# Altium PCB PCB1.PcbDoc (part 3 of 3)
Units mm, origin at the board's own origin, x right, y up, seen from the top; angles counter-clockwise.
Board outline 165.85 x 112.86 mm, 4 copper layers (Top Layer, Layer 1, Layer 2, Bottom Layer), stack 0.603 mm thick; 124 components, 136 nets, 510 pads, 68 vias.
Unrouted connection lines stored in the file: 1.
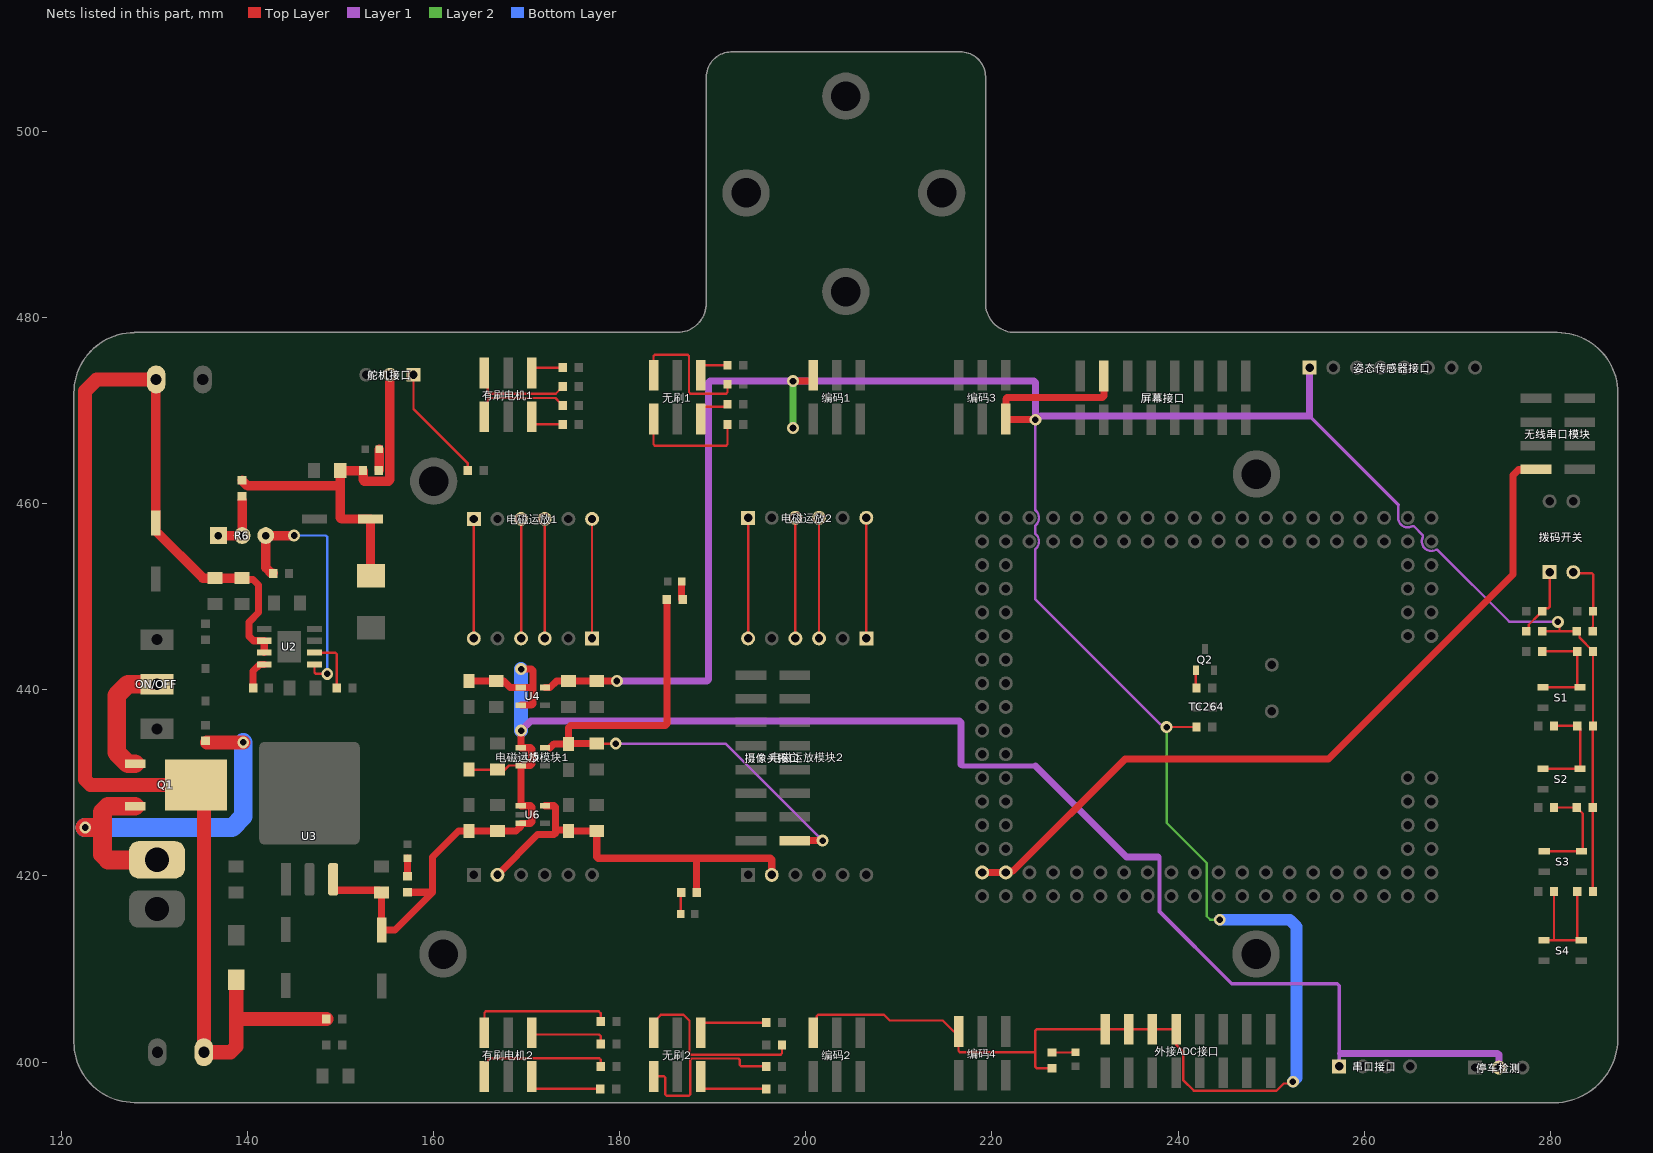
[diagram p5: the nets of this part, all layers, seen from the top]

## Via types
v1: diameter 1.27, hole 0.711, Top Layer to Bottom Layer, 68 vias

## Nets (pads, with @x,y where several pads share a name; then routed paths per layer and width w, separated by ;. In a path a pad name is that pad's centre, name@x,y a point inside that pad or via, vN(x,y) a via of type N, cw(c..) or ccw(c..) an arc to the next point about the centre after c; other vN are vias at no path point) (continued)
NetLED3v3_A: LED3v3.A R11.2 | length 2.5
  Top Layer w0.254: R11.2@226.441,401.027 228.541,401.027 228.556,401.042 LED3v3.A@228.981,401.042
NetLED5V_A: LED5V.A R10.2 | length 2
  Top Layer w0.762: R10.2@157.226,419.95 LED5V.A@157.226,421.906
NetLEDCAM_A: LEDCAM.A R12.2 | length 1.9
  Top Layer w0.762: R12.2@186.666,449.707 LEDCAM.A@186.666,451.612
NetLEDOP_A: LEDOP.A R13.2 | length 2.3
  Top Layer w0.254: LEDOP.A@186.575,415.925 186.575,418.184 R13.2@186.602,418.211
NetLEDSteer_A: LEDSteer.A R8.1 | length 2.3
  Top Layer w0.254: R8.1@154.139,463.55 R8.1@154.166,463.577
  Top Layer w1.016: R8.1@154.166,463.577 LEDSteer.A@154.166,465.836
NetON/OFF_2: ON/OFF.2 Q1.2 | length 13.4
  Top Layer w2.032: Q1.2@127.943,432.048 127.174,432.048 125.984,433.238 125.984,439.399 127.174,440.589 ON/OFF.2@130.302,440.589
NetP1_1: R40.1 无刷1.1 | length 12.9
  Top Layer w0.254: 无刷1.1@183.642,469.074 183.642,466.366 183.791,466.217 191.445,466.217 191.594,466.366 R40.1@191.594,468.503
NetP1_2: R42.1 无刷1.2 | length 15
  Top Layer w0.254: 无刷1.2@183.642,473.774 183.642,475.847 183.791,475.996 187.303,475.996 187.452,475.847 187.452,471.954 187.601,471.805 191.445,471.805 191.594,471.954 R42.1@191.594,472.821
NetP1_5: R39.2 无刷1.5 | length 4.1
  Top Layer w0.254: 无刷1.5@188.722,469.074 188.722,470.025 189.105,470.408 191.342,470.408 R39.2@191.596,470.662
NetP1_6: R41.2 无刷1.6 | length 3.7
  Top Layer w0.254: 无刷1.6@188.722,473.774 188.722,474.47 189.105,474.853 R41.2@191.594,474.853
NetP2_1: R44.1 无刷2.1 | length 7.9
  Top Layer w0.254: 无刷2.1@188.722,403.162 188.722,403.858 189.105,404.241 R44.1@195.746,404.241
NetP2_2: R46.1 无刷2.2 | length 8.1
  Top Layer w0.254: 无刷2.2@188.722,398.462 188.722,397.512 189.105,397.129 R46.1@195.746,397.129
NetP2_5: R43.2 无刷2.5 | length 20
  Top Layer w0.254: 无刷2.5@183.642,403.162 183.642,404.302 184.431,405.091 186.862,405.091 187.506,404.448 187.506,400.947 187.654,400.798 197.297,400.798 197.446,400.947 R43.2@197.446,401.828
NetP2_6: R45.2 无刷2.6 | length 18.5
  Top Layer w0.254: 无刷2.6@183.642,398.462 184.763,398.462 184.912,398.313 184.912,396.516 185.061,396.367 187.43,396.367 187.579,396.516 187.579,400.243 187.728,400.391 192.764,400.391 192.913,400.243 192.913,399.691 193.062,399.542 R45.2@195.746,399.542
NetP11_1: R26.1 有刷电机1.1 | length 10.5
  Top Layer w0.254: 有刷电机1.1@165.481,469.328 165.846,469.693 165.846,471.154 166.028,471.336 173.101,471.336 173.554,470.883 173.579,470.883 173.902,470.56 R26.1@173.902,470.535
NetP11_2: R28.1 有刷电机1.2 | length 10.7
  Top Layer w0.254: 有刷电机1.2@165.481,474.028 165.852,473.657 165.852,471.954 166,471.805 173.14,471.805 R28.1@173.902,472.567
NetP11_5: R25.2 有刷电机1.5 | length 3.9
  Top Layer w0.254: 有刷电机1.5@170.561,469.328 170.561,468.886 170.944,468.503 R25.2@173.902,468.503
NetP11_6: R27.2 有刷电机1.6 | length 3.7
  Top Layer w0.254: 有刷电机1.6@170.561,474.028 170.561,474.216 170.944,474.599 R27.2@173.902,474.599
NetP12_1: R30.1 有刷电机2.1 | length 8.4
  Top Layer w0.254: 有刷电机2.1@170.561,403.162 170.752,402.971 177.8,402.971 177.966,402.805 R30.1@177.966,401.955
NetP12_2: R32.1 有刷电机2.2 | length 8.5
  Top Layer w0.254: 有刷电机2.2@170.561,398.462 170.561,397.512 170.944,397.129 R32.1@177.927,397.129
NetP12_5: R29.2 有刷电机2.5 | length 15.6
  Top Layer w0.254: 有刷电机2.5@165.481,403.162 165.481,405.297 165.63,405.445 177.756,405.445 177.966,405.235 R29.2@177.966,404.368
NetP12_6: R31.2 有刷电机2.6 | length 14.9
  Top Layer w0.254: 有刷电机2.6@165.481,398.462 165.864,398.845 165.864,400.257 166.013,400.406 177.817,400.406 177.966,400.257 R31.2@177.966,399.542
NetP13_1: 电磁运放1.1 电磁运放模块1.6 | length 12.8
  Top Layer w0.254: 电磁运放模块1.6@164.338,445.516 电磁运放1.1@164.338,458.343
NetP13_3: 电磁运放1.3 电磁运放模块1.4 | length 12.8
  Top Layer w0.254: 电磁运放模块1.4@169.418,445.516 电磁运放1.3@169.418,458.343
NetP13_4: 电磁运放1.4 电磁运放模块1.3 | length 12.8
  Top Layer w0.254: 电磁运放模块1.3@171.958,445.516 电磁运放1.4@171.958,458.343
NetP13_6: 电磁运放1.6 电磁运放模块1.1 | length 12.8
  Top Layer w0.254: 电磁运放模块1.1@177.038,445.516 电磁运放1.6@177.038,458.343
NetP14_1: 电磁运放2.1 电磁运放模块2.6 | length 13
  Top Layer w0.254: 电磁运放模块2.6@193.802,445.516 电磁运放2.1@193.802,458.47
NetP14_3: 电磁运放2.3 电磁运放模块2.4 | length 13
  Top Layer w0.254: 电磁运放模块2.4@198.882,445.516 电磁运放2.3@198.882,458.47
NetP14_4: 电磁运放2.4 电磁运放模块2.3 | length 13
  Top Layer w0.254: 电磁运放模块2.3@201.422,445.516 电磁运放2.4@201.422,458.47
NetP14_6: 电磁运放2.6 电磁运放模块2.1 | length 13
  Top Layer w0.254: 电磁运放模块2.1@206.502,445.516 电磁运放2.6@206.502,458.47
NetP18_1: R9.2 舵机接口.1 | length 12.7
  Top Layer w0.254: 舵机接口.1@157.861,473.837 157.861,470.154 163.703,464.312 R9.2@163.703,463.55
NetQ1_3: Q1.3 R1.1 电源供电.1 | length 46.2
  Top Layer w0.254: 124.287,424.434 124.46,424.608
  Top Layer w0.508: R1.1@135.509,434.506 R1.1@135.675,434.34
  Top Layer w1.016: 126.837,427.482 126.843,427.488
  Top Layer w1.524: R1.1@135.675,434.34 v1(139.573,434.34)
  Top Layer w2.032: v1(122.59,425.196) 124.079,425.196 124.46,424.815 ; 126.837,427.482 125.055,427.482 124.46,426.887 124.46,425.196 124.46,424.608 124.46,422.328 125.055,421.733 电源供电.1@130.302,421.733 ; 126.843,427.488 Q1.3@127.943,427.488
  Bottom Layer w2.032: v1(122.59,425.196) 138.383,425.196 139.573,426.386 v1(139.573,434.34)
NetQ2_1: Q2.1 R23.2 | length 2
  Top Layer w0.254: Q2.1@241.94,442.087 241.893,442.04 241.893,440.263 R23.2@241.974,440.182
NetR3_2: R3.2 U2.4 | length 3.3
  Top Layer w0.762: R3.2@140.628,440.182 140.628,441.999 141.351,442.722 U2.4@141.826,442.722
NetR4_1: R4.1 U2.6 | length 6.1
  Top Layer w0.254: U2.6@147.226,443.992 149.457,443.992 149.606,443.843 R4.1@149.606,440.182
NetR5_1: R5.1 R6.1 R6.ADJ | length 6.8
  Top Layer w0.254: R5.1@139.446,460.345 R5.1@139.446,460.795
  Top Layer w1.016: R6.1@136.906,456.565 R6.ADJ@139.446,456.565 139.446,460.345
NetR6_2: R6.2 R7.2 U2.5 | length 28.2
  Top Layer w0.254: U2.5@147.226,442.722 147.226,441.855 147.375,441.706 v1(148.59,441.706)
  Top Layer w1.016: R7.2@142.787,452.501 142.606,452.501 141.986,453.121 R6.2@141.986,456.565 v1(145.034,456.565)
  Bottom Layer w0.254: v1(145.034,456.565) 148.441,456.565 148.59,456.416 v1(148.59,441.706)
NetR14_2: R14.2 R35.1 S1.2 | length 11.7
  Top Layer w0.254: R35.1@279.107,444.119 279.557,444.119 R14.2@282.868,444.119 282.868,440.489 S1.2@283.091,440.266 ; S1.2@279.178,440.266 S1.2@283.091,440.266 ; S1.2@283.178,440.266 S1.2@283.091,440.266
NetR15_2: R15.2 R36.1 S2.2 | length 11.2
  Top Layer w0.254: S2.2@279.178,431.503 S2.2@283.178,431.503 283.178,435.808 R15.2@282.868,436.118 R36.1@280.377,436.118
NetR16_2: R16.2 R37.1 S3.2 | length 11.5
  Top Layer w0.254: S3.2@279.32,422.635 S3.2@283.32,422.635 283.464,422.779 283.464,426.695 282.829,427.33 R16.2@282.829,427.355 R37.1@280.377,427.355
NetR17_2: R17.2 R38.1 S4.2 | length 14.6
  Top Layer w0.254: S4.2@279.305,413.088 280.289,413.088 ; R38.1@280.377,418.338 280.377,413.176 280.289,413.088 ; R17.2@282.868,418.338 282.868,413.311 S4.2@283.091,413.088 ; S4.2@283.305,413.088 S4.2@283.091,413.088 ; 280.289,413.088 S4.2@283.091,413.088
NetR18_2: R18.2 R33.1 拨码开关.1 | length 7.6
  Top Layer w0.254: R18.2@277.407,446.278 277.655,446.526 277.655,446.985 278.759,448.089 278.784,448.089 279.107,448.412 R33.1@279.107,448.437 279.411,448.741 279.759,448.741 279.908,448.889 拨码开关.1@279.908,452.628
NetR19_2: R19.2 R34.1 拨码开关.2 | length 8.4
  Top Layer w0.254: 拨码开关.2@282.448,452.628 282.575,452.501 284.458,452.501 284.607,452.352 284.607,448.951 284.568,448.912 R34.1@284.568,448.437 284.568,446.792 284.529,446.753 R19.2@284.529,446.278
VCC: TC264.2 TC264.4 无线串口模块.7 | length 83.7
  Top Layer w0.254: TC264.4@221.488,420.37 TC264.4@221.535,420.417 ; 无线串口模块.7@278.406,463.636 无线串口模块.7@278.447,463.677
  Top Layer w0.762: TC264.2@218.948,420.37 TC264.4@221.488,420.37 ; TC264.4@221.535,420.417 221.629,420.511 222.264,420.511 234.315,432.562 256.159,432.562 275.971,452.374 275.971,463.042 276.565,463.636 无线串口模块.7@278.406,463.636
VCC3V3: C15.1 C16.1 R11.1 R14.1 R15.1 R16.1 R17.1 R18.1 R19.1 R22.1 U4.5 外接ADC接口.2 外接ADC接口.4 外接ADC接口.6 外接ADC接口.8 姿态传感器接口.1 屏幕接口.4 编码1.2 编码2.2 编码3.2 编码4.2 | length 389.9
  Top Layer w0.254: C16.1@177.546,440.947 C16.1@177.549,440.944 ; 编码1.2@200.404,473.151 200.404,473.202 200.787,473.585 编码1.2@200.787,473.774 ; 编码2.2@200.787,403.162 201.17,403.545 201.17,404.943 201.319,405.091 208.398,405.091 209.02,404.47 214.717,404.47 215.898,403.289 编码4.2@216.408,403.289 216.408,401.215 216.557,401.066 224.663,401.066 ; 编码3.2@221.488,469.074 221.998,469.074 222.061,469.011 ; R11.1@226.441,399.327 224.812,399.327 224.663,399.476 224.663,401.066 ; v1(238.76,435.991) R22.1@241.974,435.991 ; v1(252.327,397.891) 252.132,397.697 251.345,397.697 250.562,396.914 241.69,396.914 240.565,398.038 240.565,401.104 239.776,401.893 外接ADC接口.8@239.776,403.543 外接ADC接口.6@237.236,403.543 外接ADC接口.4@234.696,403.543 外接ADC接口.2@232.156,403.543 224.812,403.543 224.663,403.394 224.663,401.066 ; R18.1@279.107,446.278 280.968,446.278 ; v1(280.797,447.294) 280.968,447.123 280.968,446.278 ; R16.1@284.529,427.355 284.529,418.852 284.568,418.813 R17.1@284.568,418.338 ; R16.1@284.529,427.38 284.529,436.079 R15.1@284.568,436.118 R14.1@284.568,444.119 284.568,444.144 283.109,445.603 283.109,445.998 R19.1@282.829,446.278 280.968,446.278
  Top Layer w0.762: U4.5@171.988,440.243 172.538,440.243 173.242,440.947 C15.1@174.498,440.947 C16.1@177.546,440.947 ; C16.1@177.549,440.944 v1(179.705,440.944) ; v1(198.628,473.151) 编码1.2@200.404,473.151 ; 编码3.2@221.488,469.074 221.488,471.244 221.637,471.393 231.88,471.393 232.029,471.541 屏幕接口.4@232.029,473.711 ; 222.061,469.011 v1(224.663,469.011)
  Layer 1 w0.254: v1(224.663,469.011) 224.663,459.29 224.737,459.216 ccw(c224.917,459.396) 224.739,459.214 ; 224.737,455.184 224.663,455.11 224.663,449.707 238.105,436.265 238.211,436.265 238.485,435.991 v1(238.76,435.991) ; 224.739,455.186 ccw(c224.028,455.93) 224.739,456.674 cw(c224.917,456.856) 224.737,456.676 224.663,456.75 224.663,457.65 224.737,457.724 ; 263.639,459.88 263.639,458.47 ccw(c264.668,458.47) 265.155,457.563 265.215,457.563 265.32,457.563 266.301,456.582 266.301,456.477 266.301,456.417 ; v1(280.797,447.294) 275.59,447.294 275.515,447.368 267.86,455.023 267.755,455.023 267.695,455.023 ; 224.738,457.725 cw(c224.917,457.544) 224.739,457.726 ; 224.738,457.725 cw(c224.917,457.544) 224.739,457.726 ; 224.739,457.726 ccw(c224.028,458.47) 224.739,459.214 ; 224.739,457.726 ccw(c224.028,458.47) 224.739,459.214 ; 266.301,456.417 ccw(c267.208,455.93) 266.279,456.373 ccw(c267.208,455.93) 266.206,455.693 ccw(c267.208,455.93) 267.695,455.023 ; 266.301,456.417 ccw(c267.208,455.93) 267.695,455.023 ; 266.301,456.417 ccw(c267.208,455.93) 267.695,455.023 ; 266.301,456.417 ccw(c267.208,455.93) 267.695,455.023
  Layer 1 w0.381: 254.127,469.392 263.639,459.88
  Layer 1 w0.762: v1(179.705,440.944) 189.407,440.944 189.556,441.093 189.556,473.002 189.705,473.151 v1(198.628,473.151) 224.514,473.151 224.663,473.002 224.663,469.392 v1(224.663,469.011) 224.8,469.011 225.201,469.412 254.107,469.412 ; 254.127,469.392 姿态传感器接口.1@254.127,474.599
  Layer 2 w0.254: v1(238.76,435.991) 238.76,425.704 243.078,421.386 243.078,415.671 243.459,415.29 v1(244.475,415.29)
  Layer 2 w0.762: v1(198.628,468.122) v1(198.628,473.151)
  Bottom Layer w1.27: v1(244.475,415.29) 251.986,415.29 252.73,414.546 252.73,398.294 v1(252.327,397.891)
VCC5V: C11.1 C12.2 C13.1 C14.1 C17.2 C18.2 C21.2 C22.2 R10.1 U3.3 U4.1 U4.3 U5.1 U5.3 U6.1 U6.3 串口接口.1 停车检测.2 | length 208.5
  Top Layer w0.254: 159.854,418.25 159.893,418.211 ; C17.2@163.83,431.416 C18.2@166.878,431.416 167.678,431.416 168.128,431.866 U5.3@169.388,431.866 ; 166.075,424.809 166.078,424.812 C22.2@166.878,424.812 ; C14.1@166.751,440.947 C14.1@167.551,440.947 ; 169.388,425.343 U6.3@169.388,425.643 ; 170.412,425.643 170.561,425.792 ; 170.412,427.543 170.561,427.394 ; 170.539,440.243 170.688,440.094
  Top Layer w0.762: U3.3@149.225,419.633 149.225,418.619 149.379,418.465 154.178,418.465 C12.2@154.432,418.211 C11.1@154.432,414.178 155.86,414.178 159.893,418.211 159.893,422.021 162.681,424.809 C21.2@163.83,424.809 166.075,424.809 ; R10.1@157.226,418.25 159.854,418.25 ; C13.1@163.83,440.947 C14.1@166.751,440.947 ; C22.2@166.878,424.812 168.857,424.812 169.388,425.343 ; C14.1@167.551,440.947 168.255,440.243 U4.1@169.388,440.243 170.539,440.243 ; U6.3@169.388,425.643 170.412,425.643 ; U5.1@169.388,433.766 170.412,433.766 170.561,433.617 170.561,432.015 170.412,431.866 U5.3@169.388,431.866 U6.1@169.388,427.543 170.412,427.543 ; U4.3@169.388,438.343 170.539,438.343 170.688,438.492 170.688,440.094 170.688,442.065 170.539,442.214 v1(169.418,442.214) ; U5.1@169.418,433.847 v1(169.418,435.61) ; 170.561,425.792 170.561,427.394
  Layer 1 w0.381: 216.662,431.949 216.811,431.8 ; 237.849,422.021 237.998,421.872 237.998,416.179 245.745,408.432 257.079,408.432 257.302,408.209 257.302,400.939 257.302,400.79 串口接口.1@257.302,399.542
  Layer 1 w0.508: 216.811,431.8 224.663,431.8
  Layer 1 w0.762: v1(169.418,435.61) 170.447,436.639 216.513,436.639 216.662,436.491 216.662,431.949 ; 224.663,431.8 234.442,422.021 237.849,422.021 ; 257.451,400.939 274.298,400.939 274.447,400.79 停车检测.2@274.447,399.415
  Bottom Layer w1.524: v1(169.418,435.61) v1(169.418,442.214)
VCCBAT: C1.1 C2.2 C3.2 D2.A Q1.1 R20.1 U2.2 U2.3 电机接口2.1 电机电源1.1 | length 150.5
  Top Layer w0.762: C3.2@139.588,451.854 140.629,451.854 141.224,451.259 141.224,448.31 140.208,447.294 140.208,445.708 140.654,445.262 U2.2@141.826,445.262 U2.3@141.826,443.992
  Top Layer w1.016: 电机接口2.1@130.215,473.329 130.215,472.829 130.175,472.789 C1.1@130.175,457.914 130.175,457.064 135.243,451.996 C2.2@136.525,451.996 C3.2@139.446,451.996 C3.2@139.588,451.854 ; Q1.1@134.493,429.768 Q1.1@135.342,428.919
  Top Layer w1.524: 电机接口2.1@130.215,473.329 123.825,473.329 122.555,472.059 122.555,430.363 123.15,429.768 Q1.1@134.493,429.768 ; Q1.1@135.342,428.919 电机电源1.1@135.342,401.066 138.216,401.066 138.811,401.661 138.811,404.622 ; D2.A@138.811,408.826 138.811,404.622 ; R20.1@148.502,404.622 138.811,404.622
VCCCAM: C19.1 C20.2 R12.1 U5.5 摄像头接口.16 | length 63.2
  Top Layer w0.254: U5.5@171.988,433.766 172.538,433.766 ; C19.1@174.498,434.191 175.098,434.191 175.148,434.241 ; C20.2@177.546,434.241 177.574,434.213 v1(179.578,434.213)
  Top Layer w0.762: 172.538,433.766 172.963,434.191 C19.1@174.498,434.191 174.498,435.924 174.735,436.161 184.929,436.161 185.078,436.31 R12.1@185.078,449.707 ; 175.148,434.241 C20.2@177.546,434.241 ; 摄像头接口.16@198.819,423.799 v1(201.803,423.799)
  Layer 1 w0.254: v1(179.578,434.213) 191.389,434.213 v1(201.803,423.799)
VCCOP: C23.1 C24.2 R13.1 U6.5 电磁运放模块1.8 电磁运放模块2.8 | length 43.6
  Top Layer w0.254: C23.1@174.371,424.942 C23.1@174.498,424.815 ; 176.743,424.815 176.746,424.812 C24.2@177.546,424.812 ; R13.1@188.276,418.237 R13.1@188.302,418.211
  Top Layer w0.762: 电磁运放模块1.8@166.878,420.116 171.196,424.434 172.952,424.434 173.101,424.583 173.101,424.942 ; U6.5@171.988,427.543 172.952,427.543 173.101,427.394 173.101,424.942 ; C23.1@174.371,424.942 173.101,424.942 ; C23.1@174.498,424.815 176.743,424.815 ; C24.2@177.546,424.812 177.546,422.043 177.695,421.894 188.276,421.894 ; R13.1@188.276,418.237 188.276,421.894 ; 电磁运放模块2.8@196.342,420.116 196.342,421.745 196.193,421.894 188.276,421.894
VCCSteer: C5.2 C6.1 L1.2 R5.2 R8.2 舵机接口.2 | length 43
  Top Layer w0.254: 149.987,462.747 149.99,462.75 C5.2@149.99,463.55 C5.2@150.64,463.55 ; L1.2@153.241,452.301 L1.2@153.289,452.253
  Top Layer w1.016: R5.2@139.446,462.495 140.042,461.899 149.987,461.899 ; 149.987,462.747 149.987,461.899 ; 150.64,463.55 R8.2@152.439,463.55 152.439,462.556 152.588,462.407 155.172,462.407 155.321,462.556 舵机接口.2@155.321,473.837 ; L1.2@153.241,452.301 C6.1@153.241,458.343 150.136,458.343 149.987,458.492 149.987,461.899
pads on no net: Designator1.1 Designator2.1 Designator3.1 Designator4.1 Designator5.1 Designator6.1 Designator7.1 Designator8.1 TC264.22 TC264.23 TC264.26 TC264.29 TC264.33 TC264.42 TC264.43 TC264.45 TC264.47 TC264.48 TC264.49 TC264.50 TC264.51 TC264.52 TC264.53 TC264.64 TC264.65 TC264.66 TC264.69 TC264.70 TC264.71 TC264.72 TC264.73 TC264.78 TC264.79 TC264.80 TC264.107 TC264.109 TC264.110 TC264.111 TC264.112 TC264.113 TC264.114 TC264.115 TC264.116 TC264.117 TC264.118 TC264.119 TC264.120 TC264.121 TC264.122 U4.4 U5.4 U6.4 姿态传感器接口.7 姿态传感器接口.8 摄像头接口.10 无线串口模块.2 无线串口模块.8 编码1.5 编码1.6 编码2.5 编码2.6 编码3.5 编码3.6 编码4.5 编码4.6

## Polygon pours and split planes (outlines as drawn)
GND on Layer 2 "GND_L03_P013" (solid, remove dead copper, pour order 13): 121.364,402.156 cw(c121.377,402.156) 121.364,402.156 121.364,471.871 ccw(c121.377,471.871) 121.364,471.871 cw(c127.874,471.871) 127.871,478.381 cw(c127.884,478.378) 127.884,478.391 186.213,478.391 ccw(c186.172,481.515) 189.296,481.515 ccw(c186.231,481.515) 189.296,481.556 ccw(c189.295,481.556) 189.296,481.556 189.296,505.2 cw(c189.309,505.2) 189.296,505.201 cw(c192.486,505.2) 192.486,508.391 cw(c192.486,508.391) 192.486,508.391 216.131,508.391 cw(c216.131,508.388) 216.131,508.391 cw(c216.131,505.2) 219.322,505.2 219.322,481.556 ccw(c222.486,481.556) 222.486,478.391 280.731,478.391 cw(c280.734,478.378) 280.734,478.391 cw(c280.734,471.881) 287.244,471.882 cw(c287.231,471.881) 287.244,471.881 287.244,401.987 cw(c287.231,401.987) 287.24,401.978 287.223,401.961 cw(c280.289,402.581) 280.352,395.619 cw(c280.352,395.632) 280.352,395.645 ccw(c280.289,402.558) 280.406,395.646 127.874,395.646 cw(c127.874,402.156)
GND on Layer 2 "GND_L03_P000" (solid, remove dead copper, pour order 0): 127.874,395.646 cw(c127.874,402.156) 121.364,402.156 121.364,471.871 cw(c127.874,471.871) 127.871,478.381 cw(c127.884,478.378) 127.884,478.391 280.734,478.391 cw(c280.734,471.881) 287.244,471.881 287.244,401.987 cw(c287.231,401.987) 287.24,401.978 287.223,401.961 cw(c280.289,402.581) 280.904,395.646 cw(c280.289,402.583) 280.352,395.619 cw(c280.352,395.632) 280.352,395.645 ccw(c280.289,402.558) 280.406,395.646
GND on Layer 2 "GND_L03_P001" (solid, remove dead copper, pour order 1): 127.874,395.646 cw(c127.874,402.156) 121.364,402.156 121.364,471.871 cw(c127.874,471.871) 127.871,478.381 cw(c127.884,478.378) 127.884,478.391 280.734,478.391 cw(c280.734,471.881) 287.244,471.881 287.244,401.987 cw(c287.231,401.987) 287.24,401.978 287.223,401.961 cw(c280.289,402.581) 280.904,395.646 cw(c280.289,402.583) 280.352,395.619 cw(c280.352,395.632) 280.352,395.645 ccw(c280.289,402.558) 280.406,395.646
GND on Layer 1 "GND_L02_P011" (solid, remove dead copper, pour order 11): 121.364,402.156 cw(c121.377,402.156) 121.364,402.156 121.364,471.871 ccw(c121.377,471.871) 121.364,471.871 cw(c127.874,471.871) 127.871,478.381 cw(c127.884,478.378) 127.884,478.391 186.213,478.391 ccw(c186.172,481.515) 189.296,481.515 ccw(c186.231,481.515) 189.296,481.556 ccw(c189.295,481.556) 189.296,481.556 189.296,505.2 cw(c189.309,505.2) 189.296,505.201 cw(c192.486,505.2) 192.486,508.391 cw(c192.486,508.391) 192.486,508.391 216.131,508.391 cw(c216.131,508.388) 216.131,508.391 cw(c216.131,505.2) 219.322,505.2 219.322,481.556 ccw(c222.486,481.556) 222.486,478.391 280.731,478.391 cw(c280.734,478.378) 280.734,478.391 cw(c280.734,471.881) 287.244,471.882 cw(c287.231,471.881) 287.244,471.881 287.244,401.987 cw(c287.231,401.987) 287.24,401.978 287.223,401.961 cw(c280.289,402.581) 280.352,395.619 cw(c280.352,395.632) 280.352,395.645 ccw(c280.289,402.558) 280.406,395.646 127.874,395.646 cw(c127.874,402.156)
GND on Layer 1 "GND_L02_P010" (solid, remove dead copper, pour order 10): 127.874,395.646 cw(c127.874,402.156) 121.364,402.156 121.364,471.871 cw(c127.874,471.871) 127.871,478.381 cw(c127.884,478.378) 127.884,478.391 280.734,478.391 cw(c280.734,471.881) 287.244,471.881 287.244,401.987 cw(c287.231,401.987) 287.24,401.978 287.223,401.961 cw(c280.289,402.581) 280.904,395.646 cw(c280.289,402.583) 280.352,395.619 cw(c280.352,395.632) 280.352,395.645 ccw(c280.289,402.558) 280.406,395.646
GND on Layer 1 "GND_L02_P004" (solid, remove dead copper, pour order 4): 127.874,395.646 cw(c127.874,402.156) 121.364,402.156 121.364,471.871 cw(c127.874,471.871) 127.871,478.381 cw(c127.884,478.378) 127.884,478.391 280.734,478.391 cw(c280.734,471.881) 287.244,471.881 287.244,401.987 cw(c287.231,401.987) 287.24,401.978 287.223,401.961 cw(c280.289,402.581) 280.904,395.646 cw(c280.289,402.583) 280.352,395.619 cw(c280.352,395.632) 280.352,395.645 ccw(c280.289,402.558) 280.406,395.646
GND on Top Layer "GND_L01_P012" (solid, remove dead copper, pour order 12): 121.364,402.156 cw(c121.377,402.156) 121.364,402.156 121.364,471.871 ccw(c121.377,471.871) 121.364,471.871 cw(c127.874,471.871) 127.871,478.381 cw(c127.884,478.378) 127.884,478.391 186.213,478.391 ccw(c186.172,481.515) 189.296,481.515 ccw(c186.231,481.515) 189.296,481.556 ccw(c189.295,481.556) 189.296,481.556 189.296,505.2 cw(c189.309,505.2) 189.296,505.201 cw(c192.486,505.2) 192.486,508.391 cw(c192.486,508.391) 192.486,508.391 216.131,508.391 cw(c216.131,508.388) 216.131,508.391 cw(c216.131,505.2) 219.322,505.2 219.322,481.556 ccw(c222.486,481.556) 222.486,478.391 280.731,478.391 cw(c280.734,478.378) 280.734,478.391 cw(c280.734,471.881) 287.244,471.882 cw(c287.231,471.881) 287.244,471.881 287.244,401.987 cw(c287.231,401.987) 287.24,401.978 287.223,401.961 cw(c280.289,402.581) 280.352,395.619 cw(c280.352,395.632) 280.352,395.645 ccw(c280.289,402.558) 280.406,395.646 127.874,395.646 cw(c127.874,402.156)
GND on Top Layer "GND_L01_P009" (solid, remove dead copper, pour order 9): 121.364,402.156 cw(c121.377,402.156) 121.364,402.156 121.364,471.871 ccw(c121.377,471.871) 121.364,471.871 cw(c127.874,471.871) 127.871,478.381 cw(c127.884,478.378) 127.884,478.391 186.213,478.391 ccw(c186.172,481.515) 189.296,481.515 ccw(c186.231,481.515) 189.296,481.556 ccw(c189.295,481.556) 189.296,481.556 189.296,505.2 cw(c189.309,505.2) 189.296,505.201 cw(c192.486,505.2) 192.486,508.391 cw(c192.486,508.391) 192.486,508.391 216.131,508.391 cw(c216.131,508.388) 216.131,508.391 cw(c216.131,505.2) 219.322,505.2 219.322,481.556 ccw(c222.486,481.556) 222.486,478.391 280.731,478.391 cw(c280.734,478.378) 280.734,478.391 cw(c280.734,471.881) 287.244,471.882 cw(c287.231,471.881) 287.244,471.881 287.244,401.987 cw(c287.231,401.987) 287.24,401.978 287.223,401.961 cw(c280.289,402.581) 280.352,395.619 cw(c280.352,395.632) 280.352,395.645 ccw(c280.289,402.558) 280.406,395.646 127.874,395.646 cw(c127.874,402.156)
GND on Top Layer "GND_L01_P008" (solid, remove dead copper, pour order 8): 121.364,402.156 cw(c121.377,402.156) 121.364,402.156 121.364,471.871 ccw(c121.377,471.871) 121.364,471.871 cw(c127.874,471.871) 127.871,478.381 cw(c127.884,478.378) 127.884,478.391 186.213,478.391 ccw(c186.172,481.515) 189.296,481.515 ccw(c186.231,481.515) 189.296,481.556 ccw(c189.295,481.556) 189.296,481.556 189.296,505.2 cw(c189.309,505.2) 189.296,505.201 cw(c192.486,505.2) 192.486,508.391 cw(c192.486,508.391) 192.486,508.391 216.131,508.391 cw(c216.131,508.388) 216.131,508.391 cw(c216.131,505.2) 219.322,505.2 219.322,481.556 ccw(c222.486,481.556) 222.486,478.391 280.731,478.391 cw(c280.734,478.378) 280.734,478.391 cw(c280.734,471.881) 287.244,471.882 cw(c287.231,471.881) 287.244,471.881 287.244,401.987 cw(c287.231,401.987) 287.24,401.978 287.223,401.961 cw(c280.289,402.581) 280.352,395.619 cw(c280.352,395.632) 280.352,395.645 ccw(c280.289,402.558) 280.406,395.646 127.874,395.646 cw(c127.874,402.156)
GND on Top Layer "GND_L01_P006" (solid, remove dead copper, pour order 6): 121.364,402.156 cw(c121.377,402.156) 121.364,402.156 121.364,471.871 cw(c127.874,471.871) 127.756,478.38 cw(c127.884,478.378) 127.884,478.506 186.212,478.506 ccw(c186.172,481.515) 189.182,481.515 ccw(c186.233,481.515) 189.181,481.554 ccw(c189.1,481.553) 189.181,481.554 cw(c189.302,481.556) 189.181,481.556 189.181,505.2 cw(c189.309,505.2) 189.181,505.201 cw(c192.486,505.2) 192.486,508.506 cw(c192.486,507.679) 192.486,508.506 216.131,508.506 cw(c216.131,508.473) 216.132,508.506 cw(c216.131,505.2) 219.436,505.2 219.436,481.556 ccw(c222.486,481.556) 222.486,478.506 280.734,478.506 cw(c280.734,478.378) 280.861,478.39 cw(c280.734,471.881) 287.244,471.882 cw(c287.244,471.881) 287.244,471.881 287.244,401.987 cw(c287.231,401.987) 287.24,401.978 287.223,401.961 cw(c280.289,402.581) 280.352,395.619 cw(c280.352,395.632) 280.352,395.645 ccw(c280.289,402.558) 280.406,395.646 127.874,395.646 ccw(c127.874,395.66) 127.874,395.646 cw(c127.874,402.156)
GND on Top Layer "GND_L01_P005" (solid, remove dead copper, pour order 5): 121.364,402.156 cw(c121.377,402.156) 121.364,402.156 121.364,471.871 cw(c127.874,471.871) 127.756,478.38 cw(c127.884,478.378) 127.884,478.506 186.212,478.506 ccw(c186.172,481.515) 189.182,481.515 ccw(c186.233,481.515) 189.181,481.554 ccw(c189.1,481.553) 189.181,481.554 cw(c189.302,481.556) 189.181,481.556 189.181,505.2 cw(c189.309,505.2) 189.181,505.201 cw(c192.486,505.2) 192.486,508.506 cw(c192.486,507.679) 192.486,508.506 216.131,508.506 cw(c216.131,508.473) 216.132,508.506 cw(c216.131,505.2) 219.436,505.2 219.436,481.556 ccw(c222.486,481.556) 222.486,478.506 280.734,478.506 cw(c280.734,478.378) 280.861,478.39 cw(c280.734,471.881) 287.244,471.882 cw(c287.244,471.881) 287.244,471.881 287.244,401.987 cw(c287.231,401.987) 287.24,401.978 287.223,401.961 cw(c280.289,402.581) 280.352,395.619 cw(c280.352,395.632) 280.352,395.645 ccw(c280.289,402.558) 280.406,395.646 127.874,395.646 ccw(c127.874,395.66) 127.874,395.646 cw(c127.874,402.156)
GND on Top Layer "GND_L01_P003" (solid, remove dead copper, pour order 3): 127.874,395.646 cw(c127.874,402.156) 121.364,402.156 121.364,471.871 cw(c127.874,471.871) 127.871,478.381 cw(c127.884,478.378) 127.884,478.391 280.734,478.391 cw(c280.734,471.881) 287.244,471.881 287.244,401.987 cw(c287.231,401.987) 287.24,401.978 287.223,401.961 cw(c280.289,402.581) 280.904,395.646 cw(c280.289,402.583) 280.352,395.619 cw(c280.352,395.632) 280.352,395.645 ccw(c280.289,402.558) 280.406,395.646
GND on Bottom Layer "GND_L04_P015" (solid, remove dead copper, pour order 15): 121.364,402.156 cw(c121.377,402.156) 121.364,402.156 121.364,471.871 ccw(c121.377,471.871) 121.364,471.871 cw(c127.874,471.871) 127.871,478.381 cw(c127.884,478.378) 127.884,478.391 186.213,478.391 ccw(c186.172,481.515) 189.296,481.515 ccw(c186.231,481.515) 189.296,481.556 ccw(c189.295,481.556) 189.296,481.556 189.296,505.2 cw(c189.309,505.2) 189.296,505.201 cw(c192.486,505.2) 192.486,508.391 cw(c192.486,508.391) 192.486,508.391 216.131,508.391 cw(c216.131,508.388) 216.131,508.391 cw(c216.131,505.2) 219.322,505.2 219.322,481.556 ccw(c222.486,481.556) 222.486,478.391 280.731,478.391 cw(c280.734,478.378) 280.734,478.391 cw(c280.734,471.881) 287.244,471.882 cw(c287.231,471.881) 287.244,471.881 287.244,401.987 cw(c287.231,401.987) 287.24,401.978 287.223,401.961 cw(c280.289,402.581) 280.352,395.619 cw(c280.352,395.632) 280.352,395.645 ccw(c280.289,402.558) 280.406,395.646 127.874,395.646 cw(c127.874,402.156)
no net on Bottom Layer "NONET_L04_P014" (solid, remove dead copper, pour order 14): 121.364,402.156 cw(c121.377,402.156) 121.364,402.156 121.364,471.871 ccw(c121.377,471.871) 121.364,471.871 cw(c127.874,471.871) 127.871,478.381 cw(c127.884,478.378) 127.884,478.391 186.213,478.391 ccw(c186.172,481.515) 189.296,481.515 ccw(c186.231,481.515) 189.296,481.556 ccw(c189.295,481.556) 189.296,481.556 189.296,505.2 cw(c189.309,505.2) 189.296,505.201 cw(c192.486,505.2) 192.486,508.391 cw(c192.486,508.391) 192.486,508.391 216.131,508.391 cw(c216.131,508.388) 216.131,508.391 cw(c216.131,505.2) 219.322,505.2 219.322,481.556 ccw(c222.486,481.556) 222.486,478.391 280.731,478.391 cw(c280.734,478.378) 280.734,478.391 cw(c280.734,471.881) 287.244,471.882 cw(c287.231,471.881) 287.244,471.881 287.244,401.987 cw(c287.231,401.987) 287.24,401.978 287.223,401.961 cw(c280.289,402.581) 280.352,395.619 cw(c280.352,395.632) 280.352,395.645 ccw(c280.289,402.558) 280.406,395.646 127.874,395.646 cw(c127.874,402.156)
GND on Bottom Layer "GND_L04_P002" (solid, remove dead copper, pour order 2): 127.874,395.646 cw(c127.874,402.156) 121.364,402.156 121.364,471.871 cw(c127.874,471.871) 127.871,478.381 cw(c127.884,478.378) 127.884,478.391 280.734,478.391 cw(c280.734,471.881) 287.244,471.881 287.244,401.987 cw(c287.231,401.987) 287.24,401.978 287.223,401.961 cw(c280.289,402.581) 280.904,395.646 cw(c280.289,402.583) 280.352,395.619 cw(c280.352,395.632) 280.352,395.645 ccw(c280.289,402.558) 280.406,395.646

## Keep-outs
Keep-Out Layer:
  lines w0.025: 127.906,478.373 ccw(c127.906,471.876) 121.409,471.876 121.409,402.161 ccw(c127.906,402.161) 127.906,395.664 280.935,395.664 ; 280.384,395.637 ccw(c280.321,402.586) 287.243,401.972 287.263,401.992 287.263,471.886 ccw(c280.766,471.886) 280.766,478.383

## Silkscreen, mask and mechanical layers (free items; w line width, h text height)
Top Overlay:
  circle w0.254: c204.089,493.268 r10.5
  circle w0.254: c214.588,493.378 r1.5
  circle w0.254: c204.309,503.766 r1.5
  circle w0.254: c193.59,493.378 r1.5
  circle w0.254: c204.309,482.77 r1.5
  text "33.9" at 159.639,476.377 h1.52 r270
  text "02.5" at 182.245,476.14 h1.52
  text "02.4" at 187.325,476.14 h1.52
  text "-" at 138.557,472.694 h1.52
  text "21.5" at 163.559,472.693 h1.52 r90
  text "21.4" at 172.974,472.693 h1.52 r90
  text "+" at 125.73,472.567 h1.52
  text "1" at 254,471.17 h1.52
  text "1" at 275.463,470.916 h1.52
  text "+" at 154.8,470.846 h1.52
  text "-" at 152.273,470.789 h1.52
  text "21.3" at 163.559,467.994 h1.52 r90
  text "21.2" at 172.974,467.867 h1.52 r90
  text "02.8" at 217.678,465.98 h1.52
  text "33.6" at 202.057,465.853 h1.52
  text "33.7" at 182.499,465.472 h1.52
  text "33.6" at 187.452,465.472 h1.52
  text "1" at 229.108,464.693 h1.52
  text "00.9" at 217.701,464.491 h1.52
  text "33.7" at 202.057,464.456 h1.52
  text "1" at 190.627,457.708 h1.52
  text "1" at 161.417,457.581 h1.52
  text "+" at 124.968,421.005 h1.52
  text "—" at 124.841,415.875 h1.52
  text "10.3" at 187.579,408.703 h1.52
  text "10.1" at 182.499,408.576 h1.52
  text "10.1" at 201.93,407.56 h1.52
  text "20.0" at 217.804,407.433 h1.52
  text "02.7" at 187.706,406.036 h1.52
  text "02.6" at 182.499,405.909 h1.52
  text "20.3" at 217.804,405.528 h1.52
  text "10.3" at 201.93,405.274 h1.52
  text "02.4" at 161.146,401.828 h1.52 r90
  text "02.5" at 163.051,401.828 h1.52 r90
  text "+" at 136.779,400.304 h1.52
  text "-" at 126.111,400.177 h1.52
  text "1" at 230.124,397.129 h1.52
  text "02.6" at 161.146,397.002 h1.52 r90
  text "02.7" at 163.051,397.002 h1.52 r90
  text "+" at 256.765,396.554 h1.52
  text "+" at 273.91,396.427 h1.52
Top Solder:
  drawing of 771 lines, arcs and shapes, not listed
Mechanical 1:
  lines w0.025: 127.874,478.368 ccw(c127.874,471.871) 121.377,471.871 121.377,402.156 ccw(c127.874,402.156) 127.874,395.659 280.903,395.659 ccw(c280.289,402.581) 287.211,401.967 287.231,401.987 287.231,471.881 ccw(c280.734,471.881) 280.734,478.378 222.486,478.378 cw(c222.486,481.556) 219.309,481.556 ; 127.884,478.378 186.213,478.378 ccw(c186.172,481.515) 189.309,481.556 ; 189.316,481.563 189.316,505.796 cw(c191.998,505.829) 191.964,508.511 215.271,508.511 216.591,508.521 cw(c216.625,505.839) 219.306,505.873 ; 219.306,481.558 219.306,505.873 ; 219.306,505.873 219.306,505.873
  lines w0.254: 160.02,436.753 160.02,436.801